# Altium PCB FRONT-UNIT-3.5.PcbDoc (part 1 of 2)
Units mm, origin at the board's own origin, x right, y up, seen from the top; angles counter-clockwise.
Board outline 187 x 77 mm, 2 copper layers (Top Layer, Top, Bottom Layer, Bottom); 110 components, 75 nets, 445 pads, 117 vias.
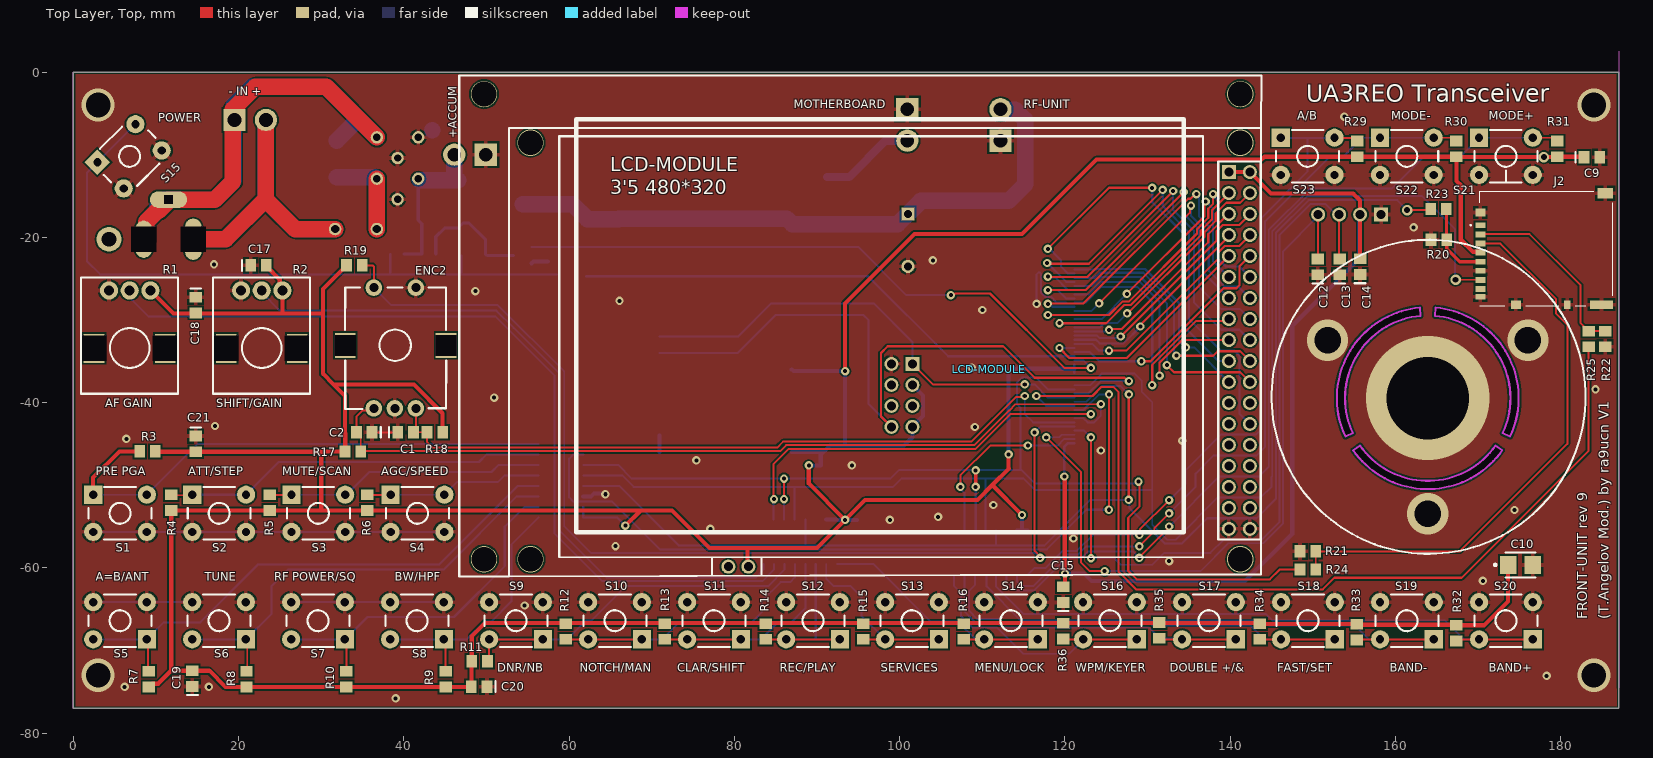
[diagram p0: Top Layer, Top view]
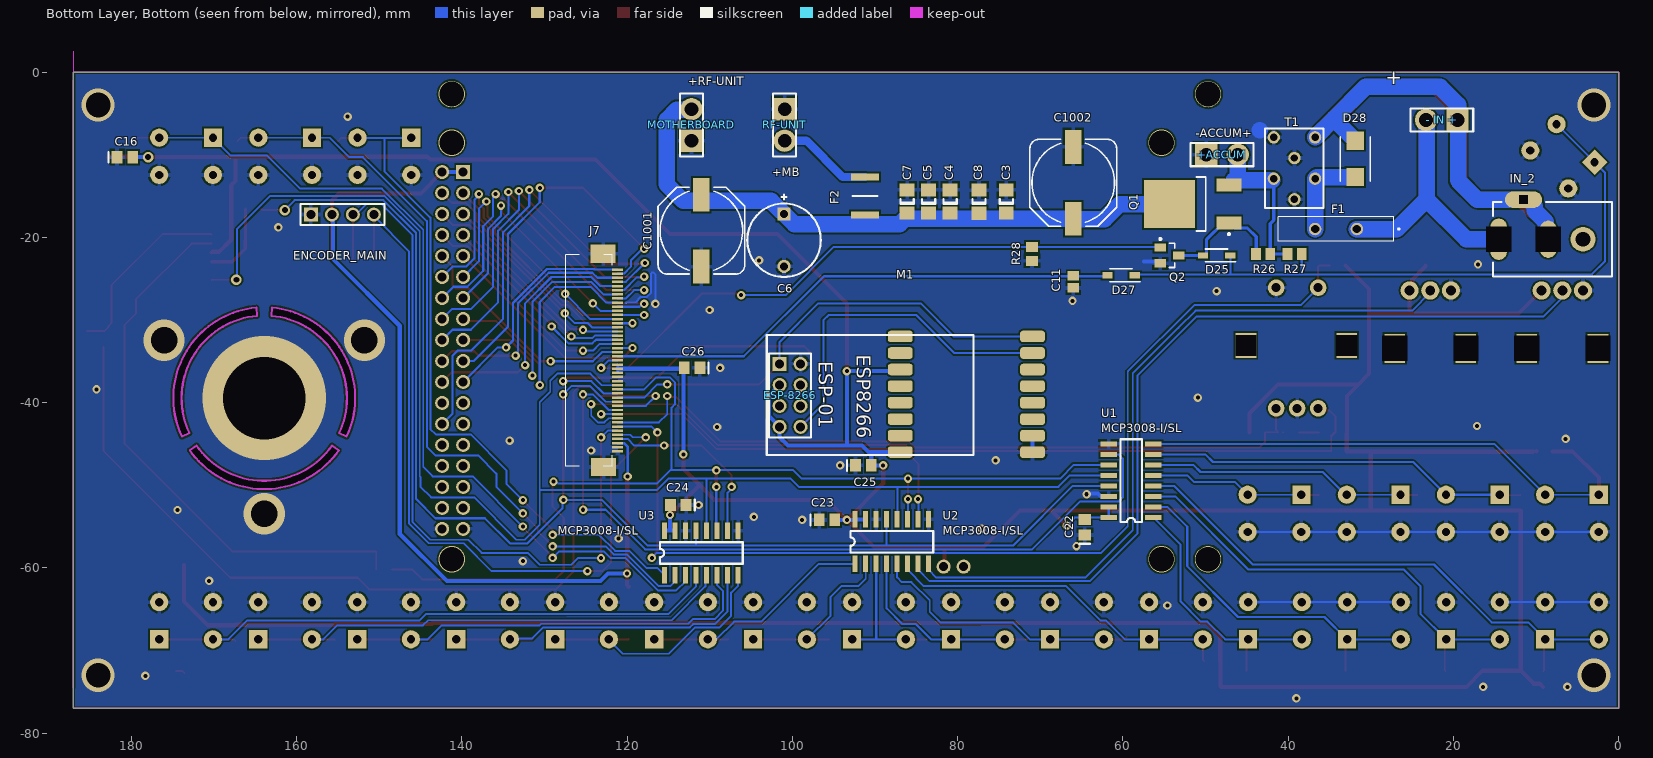
[diagram p1: Bottom Layer, Bottom view, seen from below]

## Layer stack, top to bottom
Top Solder, Top Mask: solder mask 0.0102, Solder Resist, Dk 3.5
Top Layer, Top: signal copper 0.0356
Dielectric 1: dielectric 0.32, FR-4, Dk 4.8
Bottom Layer, Bottom: signal copper 0.0356
Bottom Solder, Bot Mask: solder mask 0.0102, Solder Resist, Dk 3.5

## Board outline
0,-77 0,0 187,0 187,-77.002
cut-out: 154.889,-45.779 ccw(c163.9,-39.47) 172.911,-45.779 172.091,-45.206 cw(c163.9,-39.47) 155.708,-45.206
cut-out: 164.772,-29.508 cw(c163.9,-39.47) 172.963,-43.696 173.869,-44.119 ccw(c163.9,-39.47) 164.859,-28.512
cut-out: 153.931,-44.119 cw(c163.9,-39.47) 162.941,-28.512 163.028,-29.508 ccw(c163.9,-39.47) 154.837,-43.696

## Design rules (kind name [scope] priority, off if disabled: settings)
BoardOutlineClearance [All] p1: gap=0.2 ignorepadtopadclearanceinfootprint=FALSE except(0.4: Arc-SplitBarrior Arc-SplitContinuation Track-SplitBarrior Track-SplitContinuation SMDPad-SplitBarrior SMDPad-SplitContinuation THPad-SplitBarrior THPad-SplitContinuation Via-SplitBarrior Via-SplitContinuation Fill-SplitBarrior Fill-SplitContinuation Poly-SplitBarrior Poly-SplitContinuation Region-SplitBarrior Region-SplitContinuation Text-SplitBarrior Text-SplitContinuation)
Clearance [All] p1: gap=0.2 ignorepadtopadclearanceinfootprint=FALSE
Clearance "Clearance Bottom Layer" [OnLayer('Bottom Layer')] p2: gap=0.203 ignorepadtopadclearanceinfootprint=TRUE except(0.254: Arc-Text Track-Text SMDPad-Text THPad-Text Via-Text Fill-Text Poly-Text Region-Text Text-Text)
Clearance "Clearance Top Layer" [OnLayer('Top Layer')] p3: gap=0.203 ignorepadtopadclearanceinfootprint=TRUE except(0.254: Arc-Text Track-Text SMDPad-Text THPad-Text Via-Text Fill-Text Poly-Text Region-Text Text-Text)
HoleSize [All] p1: absolutevalues=TRUE maxlimit=21 minlimit=0.486 maxpercent=80.000 minpercent=20.000
MinimumAnnularRing [All] p1: minimumring=0.076
MinimumSolderMaskSliver [All] p1: minsoldermaskwidth=0.01
PolygonConnect PolygonConnect_1 [All] p1: thpad.connectstyle=Relief thpad.reliefconductorwidth=0.508 thpad.reliefentries=4 thpad.polygonreliefangle="90 Angle" thpad.airgapwidth=0.254 smdpad.connectstyle=Relief smdpad.reliefconductorwidth=0.508 smdpad.reliefentries=4 smdpad.polygonreliefangle="90 Angle" smdpad.airgapwidth=0.254 via.connectstyle=Direct via.reliefconductorwidth=0.508 via.reliefentries=4 via.polygonreliefangle="90 Angle" via.airgapwidth=0.254
RoomDefinition FRONT-UNIT-3.5 [InComponentClass('FRONT-UNIT-3.5')] p1: confinementstyle=ConfineIn formatcopy=TRUE lockcomponents=FALSE outline -0.4,-77.4 187.4,-77.4 187.4,0.4 -0.4,0.4
RoutingCorners [All] p1: cornerstyle=Round minsetback=2.54 maxsetback=2.54
RoutingVias [All] p1: holewidth=0.5 width=1 viastyle="Through Hole" minholewidth=0.2 minwidth=0.45 maxholewidth=1 maxwidth=2
SilkToSilkClearance [All] p1: silktosilkclearance=0.01
SilkToSolderMaskClearance [IsPad] p1: minsilkscreentomaskgap=0.1 clearancetoexposedcopper=TRUE
SolderMaskExpansion [All] p1: expansion=0.102 istentingtop=FALSE
Width [All] p1: maxlimit=2.54 minlimit=0.089 preferedwidth=0.381
25 further rules are at their usual default settings.

## Components (designator, comment, footprint, x,y, rotation, side; value= is the part's Value field where it differs from the comment)
+ACCUM "JX2" JX2 48,-10 r180 bottom value=13.8V (schematic designator ACCUM)
"- IN +" "JX2" JX2 21.4,-5.8 r0 bottom value=13.8V (schematic designator IN)
C1 "100n" CAP_0805 40.014,-43.59 r0 top
C2 "100n" CAP_0805 35.4,-43.6 r180 top
C3 "1uF" CAP_1206 74.1,-15.66 r90 bottom
C4 "100n" CAP_1206 80.9,-15.66 r90 bottom
C5 "1n" CAP_1206 83.5,-15.66 r90 bottom
C6 "1000uF" CAP250RP 101,-19.8 r270 bottom
C7 "470pF" CAP_1206 86.1,-15.66 r90 bottom
C8 "120pF" CAP_1206 77.4,-15.69 r90 bottom
C9 "100n" CAP_0805 183.574,-10.309 r0 top
C10 "22uF" EEEFC_sizeB 174.716,-59.647 r0 top
C11 "8.2n" CAPC2013X94X50LL20T25 66,-25.4 r90 bottom
C12 "10n" CAP_0805 150.593,-23.767 r90 top
C13 "10n" CAP_0805 153.244,-23.767 r90 top
C14 "100n" CAP_0805 155.712,-23.758 r90 top
C15 "100n" CAP_0805 119.789,-63.447 r90 top
C16 "100n" CAP_0805 180.967,-10.304 r180 bottom
C17 "100n" CAP_0805 22.2,-23.4 r0 top
C18 "100n" CAP_0805 14.8,-28 r270 top
C19 "100n" CAP_0805 14.4,-73.6 r90 top
C20 "100n" CAP_0805 49.299,-74.375 r180 top
C21 "100n" CAP_0805 14.8,-44.8 r270 top
C22 "100n" CAP_0805 64.6,-55.286 r90 bottom
C23 "100n" CAP_0805 96,-54.2 r180 bottom
C24 "100n" CAP_0805 113.6,-52.4 r0 bottom
C25 "100n" CAP_0805 91.6,-47.6 r180 bottom
C26 "100n" CAP_0805 111.933,-35.8 r0 bottom
C1001 "470uF" SMD-G-10X10.2 111,-19.2 r90 bottom value={Value}
C1002 "470uF" SMD-G-10X10.2 66,-13.4 r270 bottom value={Value}
D25 "1n4148w" SOD3716X135N 48.641,-22.196 r0 bottom
D27 "1n4148w" SOD3716X135N 60.2,-24.6 r0 bottom
D28 "SM6T15A" SMBJ36CATR 31.877,-10.512 r90 bottom
ENC2 "PEC12" PEC12 39,-33.4 r180 top
ENCODER_MAIN "OPTICAL ENCODER" 644456-4 154.447,-16.616 r180 bottom
ESP-8266 "ESP-01 ESP8266" "ESP-01 ESP8266" 90.593,-39.08 r270 bottom
F1 "RUEF400" RUEF400 34.2,-19 r0 bottom
F2 "MF-MSMF110_16-2" FUSC4632X85N 91.2,-15 r90 bottom
IN_2 "PJ-050B" PJ-050B 8.159,-19.584 r0 bottom value=13.8V
J2 "DM3AT-SF-PEJM5" DM3ATSFPEJM5 177.68,-21.329 r90 top
J7 "FPC-45P-0.5mm" FH12S45S05SH60 121.793,-34.9 r270 bottom
LCD-MODULE "" LCD-MODULE-3.2-480-320 53.721,-6.77 r0 top
M1 "ESP-07S" ESP-07S 78.933,-39 r180 bottom
MOTHERBOARD "JX2" JX2 112.2,-6.4 r90 bottom value=13.8V (schematic designator RF-UNIT)
Q1 "IRFR9024NPBF" ONSC-DPAK-3-369C-01_V 51.562,-15.973 r0 bottom
Q2 "BSS123" FAIR-SOT23-3_V 54.356,-22.196 r270 bottom
R1 "ptv09a-4225f-b102" PTV09 6.8,-31.9 r180 top value="AF GAIN 1k"
R2 "ptv09a-4225f-b102" PTV09 22.777,-31.9 r180 top value="SHIFT 1k"
R3 "4.7k" RES_0805 8.967,-45.904 r0 top
R4 "4.7k" RES_0805 11.845,-52.12 r270 top
R5 "4.7k" RES_0805 23.767,-52.104 r270 top
R6 "4.7k" RES_0805 35.567,-52.104 r270 top
R7 "4.7k" RES_0805 9.145,-73.47 r270 top
R8 "4.7k" RES_0805 20.945,-73.47 r270 top
R9 "4.7k" RES_0805 45.045,-73.47 r270 top
R10 "4.7k" RES_0805 33.045,-73.47 r270 top
R11 "4.7k" RES_0805 49.167,-71.304 r180 top
R12 "4.7k" RES_0805 59.567,-67.704 r90 top
R13 "4.7k" RES_0805 71.587,-67.704 r90 top
R14 "4.7k" RES_0805 83.767,-67.704 r90 top
R15 "4.7k" RES_0805 95.567,-67.704 r90 top
R16 "4.7k" RES_0805 107.767,-67.704 r90 top
R17 "4.7k" RES_0805 33.831,-45.918 r180 top
R18 "4.7k" RES_0805 43.74,-43.6 r0 top
R19 "4.7k" RES_0805 34,-23.4 r180 top
R20 "3.3k" RES_0805 165.239,-20.311 r0 top
R21 "3.3k" RES_0805 149.4,-58 r0 top
R22 "3.3k" RES_0805 185.367,-32.304 r90 top
R23 "0" RES_0805 165.201,-16.572 r180 top
R24 "0" RES_0805 149.4,-60.2 r180 top
R25 "0" RES_0805 183.367,-32.304 r270 top
R26 "30k" RESC2013X60X40NL20T25 43.01,-22 r180 bottom
R27 "30k" RESC2013X60X40NL20T25 39.2,-22 r0 bottom
R28 "30k" RESC2013X60X40NL20T25 71,-22 r90 bottom
R29 "4.7k" RES_0805 155.367,-9.304 r270 top
R30 "4.7k" RES_0805 167.367,-9.304 r270 top
R31 "4.7k" RES_0805 179.567,-9.304 r270 top
R32 "4.7k" RES_0805 167.367,-67.904 r90 top
R33 "4.7k" RES_0805 155.326,-67.784 r90 top
R34 "4.7k" RES_0805 143.567,-67.704 r90 top
R35 "4.7k" RES_0805 131.399,-67.577 r90 top
R36 "4.7k" RES_0805 119.789,-67.657 r90 top
RF-UNIT "JX2" JX2 100.93,-6.4 r270 bottom value=13.8V (schematic designator MOTHERBOARD)
S1 "PTS645SK50LFS" PTS645SK50LFS 5.645,-53.4 r0 top
S2 "PTS645SK50LFS" PTS645SK50LFS 17.645,-53.4 r0 top
S3 "PTS645SK50LFS" PTS645SK50LFS 29.645,-53.4 r0 top
S4 "PTS645SK50LFS" PTS645SK50LFS 41.645,-53.4 r0 top
S5 "PTS645SK50LFS" PTS645SK50LFS 5.645,-66.4 r180 top
S6 "PTS645SK50LFS" PTS645SK50LFS 17.625,-66.4 r180 top
S7 "PTS645SK50LFS" PTS645SK50LFS 29.605,-66.4 r180 top
S8 "PTS645SK50LFS" PTS645SK50LFS 41.585,-66.4 r180 top
S9 "PTS645SK50LFS" PTS645SK50LFS 53.565,-66.4 r180 top
S10 "PTS645SK50LFS" PTS645SK50LFS 65.545,-66.4 r180 top
S11 "PTS645SK50LFS" PTS645SK50LFS 77.525,-66.4 r180 top
S12 "PTS645SK50LFS" PTS645SK50LFS 89.505,-66.4 r180 top
S13 "PTS645SK50LFS" PTS645SK50LFS 101.485,-66.4 r180 top
S14 "PTS645SK50LFS" PTS645SK50LFS 113.465,-66.4 r180 top
S15 "PTS645SK50LFS" PTS645SK50LFS 6.8,-10.2 r45 top value=PWR
S16 "PTS645SK50LFS" PTS645SK50LFS 125.445,-66.4 r180 top
S17 "PTS645SK50LFS" PTS645SK50LFS 137.425,-66.4 r180 top
S18 "PTS645SK50LFS" PTS645SK50LFS 149.405,-66.4 r180 top
S19 "PTS645SK50LFS" PTS645SK50LFS 161.385,-66.4 r180 top
S20 "PTS645SK50LFS" PTS645SK50LFS 173.365,-66.4 r180 top
S21 "PTS645SK50LFS" PTS645SK50LFS 173.366,-10.2 r0 top
S22 "PTS645SK50LFS" PTS645SK50LFS 161.367,-10.2 r0 top
S23 "PTS645SK50LFS" PTS645SK50LFS 149.367,-10.2 r0 top
T1 "BNX016-01" TRANSF_ICORE 39.243,-11.655 r270 bottom
U1 "MCP3008-I/SL" MCP3008-I/SL 59,-49.444 r0 bottom
U2 "MCP3008-I/SL" MCP3008-I/SL 87.94,-56.831 r90 bottom
U3 "MCP3008-I/SL" MCP3008-I/SL 111,-58.2 r90 bottom

## Footprints (in the part's own frame and the unit in brackets; to place one, negate y for a bottom-side part, rotate by r counter-clockwise, add the part's x,y. Pads: shape width x height; smd on the part's side, far side on the other; paste and mask are expansions set on the pad)
644456-4 [mm]
  rect 1.7x1.7 hole 1.1: 1(-3.81,-0.635)
  round 1.7 hole 1.1: 2(-1.27,-0.635) 3(1.27,-0.635) 4(3.81,-0.635)
  silkscreen extent -5.08,-1.9 5.08,0.64
CAP250RP [mm]
  rect 1.6x1.6 hole 1: 1(-2.631,0)
  round 1.6 hole 1: 2(3.719,0)
  silkscreen extent -4.99,-4.45 4.99,4.45
CAP_0805 [mm]
  rect 1.3x1.5 smd: 1(-0.75,0) 2(1.15,0)
  silkscreen extent -1.8,-0.65 -1.8,0.65
CAP_1206 [mm]
  rect 1.6x1.8 smd: 1(-1.4,0) 2(1.4,0)
  silkscreen extent -0.3,-0.8 0.3,0.8
CAPC2013X94X50LL20T25 [mm] "Chip Capacitor, 2-Leads, Body 2.01x1.25mm, IPC High Density"
  rect 1.15x1.35 smd: 1(-0.725,0) 2(0.725,0)
  body extent -1.1,-0.72 1.1,0.72, height 0.94
DM3ATSFPEJM5 [mm]
  rect 0.7x1.2 smd: 1(2.775,7.412) 2(1.675,7.412) 3(0.575,7.412) 4(-0.525,7.412) 5(-1.625,7.412) 6(-2.725,7.412) 7(-3.825,7.412) 8(-4.925,7.412) MP2(-5.875,7.412)
  rect 1x1.2 smd: MP1(4.325,7.412) MP3(-6.825,3.112)
  rect 1x0.8 smd: MP4(-6.825,-3.087)
  rect 1x2.8 smd: MP5(-6.825,-7.237)
  rect 1.3x1.9 smd: MP6(6.675,-7.688)
  silkscreen extent -6.93,-8.64 6.93,8.64, body extent -7.24,-8.64 7.2,7.94, height 1.93
EEEFC_sizeB [mm]
  rect 2x2.2 smd: 1(-1.1,0) 2(1.9,0)
  silkscreen extent -2.9,-1.5 2.2,1.5
"ESP-01 ESP8266" [mm]
  round 1.7 hole 1.1: 1(-3.76,-8.4) 2(-1.22,-8.4) 3(1.32,-8.4) 4(3.86,-8.4) 6(-1.22,-10.94) 7(1.32,-10.94) 8(3.86,-10.94)
  rect 1.7x1.7 hole 1.1: 5(-3.76,-10.94)
  silkscreen extent -7.25,-12.5 7.25,12.5
ESP-07S [mm]
  rrect50% 3x1.4 smd: 1(-8,7) 2(-8,5) 3(-8,3) 4(-8,1) 5(-8,-1) 6(-8,-3) 7(-8,-5) 8(-8,-7) 9(8,-7) 10(8,-5) 11(8,-3) 12(8,-1) 13(8,1) 14(8,3) 15(8,5) 16(8,7)
  body extent -8,-8.7 8,13.3, height 3.5
FAIR-SOT23-3_V [mm] "SOT23, 3-Leads, Body 2.92x1.3mm, Pitch 0.95mm"
  rect 1x1.4 smd: 1(-0.95,-1.1) 2(0.95,-1.1) 3(0,1.1)
  silkscreen extent -2.12,-1.23 1.46,0.65, body extent -1.46,-0.65 1.46,0.65, height 1.2
FH12S45S05SH60 [mm]
  rect 0.3x1.3 smd: 1(-11,0.65) 2(-10.5,0.65) 3(-10,0.65) 4(-9.5,0.65) 5(-9,0.65) 6(-8.5,0.65) 7(-8,0.65) 8(-7.5,0.65) 9(-7,0.65) 10(-6.5,0.65) 11(-6,0.65) 12(-5.5,0.65) 13(-5,0.65) 14(-4.5,0.65) 15(-4,0.65) 16(-3.5,0.65) 17(-3,0.65) 18(-2.5,0.65) 19(-2,0.65) 20(-1.5,0.65) 21(-1,0.65) 22(-0.5,0.65) 23(0,0.65) 24(0.5,0.65) 25(1,0.65) 26(1.5,0.65) 27(2,0.65) 28(2.5,0.65) 29(3,0.65) 30(3.5,0.65) 31(4,0.65) 32(4.5,0.65) 33(5,0.65) 34(5.5,0.65) 35(6,0.65) 36(6.5,0.65) 37(7,0.65) 38(7.5,0.65) 39(8,0.65) 40(8.5,0.65) 41(9,0.65) 42(9.5,0.65) 43(10,0.65) 44(10.5,0.65) 45(11,0.65)
  rect 2.2x3 smd: 46(-12.9,-1.1) 47(12.9,-1.04)
  silkscreen extent -12.8,-5.6 12.8,0, body extent -13.62,-5.6 13.62,1.27, height 2.1
FUSC4632X85N [mm]
  rect 0.85x3.43 smd: 1(-2.3,0) 2(2.3,0)
  silkscreen extent 0,-1.52 0,1.52, body extent -2.27,-1.62 2.27,1.62, height 0.85
JX2 [mm]
  rect 2.7x2.7 hole 1.65: 1(-1.905,0)
  round 2.7 hole 1.65: 2(1.905,0)
  silkscreen extent -3.81,-1.4 3.81,1.4
LCD-MODULE-3.2-480-320 [mm]
  rect 1.7x1.7 hole 1.1: 1(86.106,-5.334)
  round 1.7 hole 1.1: 2(88.646,-5.334) 3(86.106,-7.874) 4(88.646,-7.874) 5(86.106,-10.414) 6(88.646,-10.414) 7(86.106,-12.954) 8(88.646,-12.954) 9(86.106,-15.494) 10(88.646,-15.494) 11(86.106,-18.034) 12(88.646,-18.034) 13(86.106,-20.574) 14(88.646,-20.574) 15(86.106,-23.114) 16(88.646,-23.114) 17(86.106,-25.654) 18(88.646,-25.654) 19(86.106,-28.194) 20(88.646,-28.194) 21(86.106,-30.734) 22(88.646,-30.734) 23(86.106,-33.274) 24(88.646,-33.274) 25(86.106,-35.814) 26(88.646,-35.814) 27(86.106,-38.354) 28(88.646,-38.354) 29(86.106,-40.894) 30(88.646,-40.894) 31(86.106,-43.434) 32(88.646,-43.434) 33(86.106,-45.974) 34(88.646,-45.974) 35(86.106,-48.514) 36(88.646,-48.514) 37(25.54,-53.086) 38(27.956,-53.086)
  silkscreen extent -1,-54.3 90,0
MCP3008-I/SL [mm]
  rect 2x0.6 smd: 1(-2.7,4.445) 2(-2.7,3.175) 3(-2.7,1.905) 4(-2.7,0.635) 5(-2.7,-0.635) 6(-2.7,-1.905) 7(-2.7,-3.175) 8(-2.7,-4.445) 9(2.7,-4.445) 10(2.7,-3.175) 11(2.7,-1.905) 12(2.7,-0.635) 13(2.7,0.635) 14(2.7,1.905) 15(2.7,3.175) 16(2.7,4.445)
  silkscreen extent -1.3,-5 1.3,5
ONSC-DPAK-3-369C-01_V [mm] "DPAK, 3-Leads, Body 6.54x6.095mm, Pitch 2.29mm"
  rect 3x1.6 smd: 1(-4.4,2.29) 3(-4.4,-2.29)
  rect 6.2x5.8 smd: 4(2.8,0)
  silkscreen extent -4.52,-3.27 -0.45,3.76, body extent -1.6,-3.27 4.49,3.27, height 2.38
PEC12 [mm]
  round 2 hole 1.1: 1(-2.44,-7.303) 2(2.64,-7.303) 3(2.64,7.302) 4(0.1,7.302) 5(-2.44,7.302)
  rect 2.5x3 hole 2.5 square: 6(-6.1,-0.318) 7(6.1,-0.317)
  silkscreen extent -6.12,-7.32 6.12,7.38
PJ-050B [mm]
  oval 2x5 hole 3 square: 1(6.35,0.65)
  oval 2x4.5 hole 3 square: 2(0.35,0.65)
  oval 4.5x2 hole 1 square: 3(3.35,-4.15)
  round 3 hole 1.8: 4(-3.85,0.65)
  silkscreen extent -7.35,-3.85 7.05,5.15
PTS645SK50LFS [mm]
  rect 2.2x2.2 hole 1: 1(-3.25,2.25)
  round 2.2 hole 1: 2(3.25,2.25) 3(3.25,-2.25) 4(-3.25,-2.25)
  silkscreen extent -3.81,-3.17 3.81,3.18
PTV09 [mm]
  round 2.2 hole 1.2: 1(-2.515,-5.465) 2(-0.015,-5.465) 3(2.485,-5.465)
  rect 2.5x3.5 hole 3 square: 4(-4.327,1.535) 5(4.297,1.535)
  silkscreen extent -5.87,-7.03 5.87,7.03
RES_0805 [mm]
  rect 1.3x1.5 smd: 1(-0.95,0) 2(0.95,0)
RESC2013X60X40NL20T25 [mm] "Chip Resistor, 2-Leads, Body 2.00x1.25mm, IPC Medium Density"
  rect 1.2x1.45 smd: 1(-0.85,0) 2(0.85,0)
  body extent -1.1,-0.72 1.1,0.72, height 0.6
RUEF400 [mm]
  round 1.515 hole 1.01: 1(-2.525,0) 2(2.525,0)
  silkscreen extent -7.7,-1.5 7,1.5, body extent -7,-1.5 7,1.5, height 19.1
SMBJ36CATR [mm]
  rect 2.2x2.15 smd: 1(-2.2,0) 2(2.2,0)
  silkscreen extent -2.68,-1.81 2.68,1.81, body extent -3.09,-1.81 3.09,1.81, height 2.75
SMD-G-10X10.2 [mm] "10X7.7, 8.7, 10, 10.5, 12.5"
  rect 4.1x2 smd paste-0.05 mask+0.05: 1(4.35,0) 2(-4.35,0)
  silkscreen extent -5.25,-5.25 5.25,5.25, body extent -5.85,-5.15 5.85,5.15
SOD3716X135N [mm]
  rect 1.25x0.75 smd: 1(-1.65,0) 2(1.65,0)
  silkscreen extent -2.27,-0.77 1.35,0.77, body extent -1.85,-0.78 1.85,0.77, height 1.35
TRANSF_ICORE [mm]
  round 1.5 hole 0.9: LCG1(-1.25,0.01) LCG2(3.75,0.01) LCG3(-3.75,-2.49) LCP(1.25,-2.49) P(1.25,2.51) PSG(-3.75,2.51)
  silkscreen extent -4.81,-3.54 4.81,3.54

## Part data
C1 C2 C9 C12 C13 C14 C15 C16 C17 C18 C19 C20 C21 C22 C23 C24 C25 C26: library part CAP_0805, "CAP_0805"
C3 C4 C5 C7 C8: library part CAP_1206, "CAP_1206"
C6: library part CAP250RP, "CAP250RP"
C10: library part EEEFC_sizeB, "EEEFC_sizeB"
C11: library part CMP-2007-04444-1, "CAP_1206", Manufacturer="AVX Interconnect / Elco", Part Number=08055C822KAT2A
C1001 C1002: library part _SMD-G-10, "10x7.7, 8.7, 10, 10.5, 12.5", Lifetime @ Temp=2000Hrs@105℃, Assembly type="Manual Part", Note="Aluminum Electrolytic Capacitors", Publisher="Catcatcat Electronics", website developer=http://catcatcat.d-lan.dp.ua/
D25 D27: "Diode", Manufacturer_Name=Vishay, Datasheet Link=http://www.vishay.com/docs/85748/1n4148w.pdf, Height=1.35mm, Manufacturer_Part_Number=1n4148w
D28: "Diode", Manufacturer_Name=STMicroelectronics, Mouser Part Number=511-SM6T15A, RS Part Number=4864915P, Allied_Number=70390432, Allied Price/Stock=http://www.alliedelec.com/stmicroelectronics-sm6t15a/70390432/, Datasheet Link=http://www.st.com/web/en/resource/technical/document/datasheet/CD00000725.pdf, Height=2.65mm, Manufacturer_Part_Number=SM6T15A, Mouser Price/Stock=https://www.mouser.com/Search/Refine.aspx?Keyword=511-SM6T15A, RS Price/Stock=http://uk.rs-online.com/web/p/products/4864915P
ENCODER_MAIN: library part 644456-4
F1: "Fuse", Manufacturer_Name=LITTELFUSE, Mouser Part Number=650-RUEF400, RS Part Number=5176837P, Datasheet Link=https://componentsearchengine.com/Datasheets/1/RUEF400.pdf, Height=19mm, Manufacturer_Part_Number=RUEF400, Mouser Price/Stock=https://www.mouser.co.uk/ProductDetail/Littelfuse/RUEF400?qs=hv6pn79dJPQHuFVnpNF%2FDg%3D%3D, RS Price/Stock=http://uk.rs-online.com/web/p/products/5176837P
F2: "Fuse", Manufacturer_Name=Bourns, Manufacturer_Part_Number=MF-MSMF110/16-2, Mouser Part Number=652-MF-MSMF110/16-2, RS Part Number=6478207P, Allied_Number=70153434, Allied Price/Stock=https://www.alliedelec.com/bourns-mf-msmf110-16-2/70153434/, Datasheet Link=https://componentsearchengine.com/Datasheets/2/MF-MSMF110_16-2.pdf, Height=0.85mm, Mouser Price/Stock=https://www.mouser.co.uk/ProductDetail/Bourns/MF-MSMF110-16-2?qs=wksszfECgvir54ST3ixUHA%3D%3D, RS Price/Stock=http://uk.rs-online.com/web/p/products/6478207P
J2: "Connector", Manufacturer_Name=HRS(Hirose), Datasheet Link=https://datasheet.lcsc.com/szlcsc/Hirose-HRS-DM3AT-SF-PEJM5_C114218.pdf, Height=1.83mm, Manufacturer_Part_Number=DM3AT-SF-PEJM5
J7: library part FH12S-45S-0.5SH_55_, "Connector", Manufacturer_Name=Hirose, Manufacturer_Part_Number=FH12S-45S-0.5SH(55), Mouser Part Number=798-FH12S-45S-05SH55, RS Part Number=1620942, Datasheet Link=https://www.hirose.com/product/en/download_file/key_name/FH12S-45S-0.5SH%2855%29/category/Drawing%20(2D)/doc_file_id/43881/?file_category_id=6&item_id=05860665055&is_series=, Height=2mm, Mouser Price/Stock=https://www.mouser.co.uk/ProductDetail/Hirose-Connector/FH12S-45S-05SH55?qs=0N%252BVULUZFj%252BE0LA99Ny0NA%3D%3D, RS Price/Stock=http://uk.rs-online.com/web/p/products/1620942
LCD-MODULE: library part LCD-MODULE_3'2_480х320, "LCD-MODULE_3'2_480х320"
Q1: library part CMP-1058-00387-1, "IRFR9024NPBF, Транзистор, Р-канал 55В 11А", Manufacturer="On Semiconductor", Package Type="DPAK-3, IPAK-4", PartNumber=NTD2955G, Channel Polarity="P Channel", Ciss Typ (pF)=500, ComponentLink1Description="Manufacturer URL", ComponentLink1URL=http://www.onsemi.com/, ComponentLink2Description=Datasheet, ComponentLink2URL=http://www.onsemi.cn/pub_link/Collateral/NTD2955-D.PDF, ComponentLink3Description="Package Specification", ComponentLink3URL=http://www.onsemi.cn/pub_link/Collateral/369C.PDF, Configuration=Single, Coss Typ (pF)=150, Crss Typ (pF)=50, DatasheetVersion="Rev. 13", ID Max (A)=12, Mounting Technology="Surface Mount", PackageDescription="3-Pin Flange Mount, Body 6.54 x 6.095 mm, Pitch 2.29 mm", PackageReference=DPAK-3-369C-01, PackageVersion="Rev. E, 02/2014", Packing="Tape and Reel", PD Max (W)=55, Qrr Typ (nC)=100, RoHS=Pb-Free, V(BR)DSS Min (V)=60, VGS(th) Max (V)=4, VGS Max (V)=20
Q2: library part CMP-2000-04934-1, "N-Channel Logic Level Enhancement Mode Field Effect Transistor, 1.7 V, -55 to 150 degC, 3-Pin SOT-23, RoHS, Tape and Reel", Manufacturer=Fairchild, Maximum Continuous Drain Current=0.17A, Maximum Drain Source Voltage=100V, Maximum Gate Source Voltage=±20V, Operating Temperature=-55to150degC, Package=3SOT-23, Package Description="3-Pin Small Outline Transistor, Body 2.92 x 1.325 mm, Pitch 0.95 mm", Package Reference=SOT23-3, Package Version="Rev. 12, 03/2016", Category=MOSFET, Channel Mode=Enhancement, Channel Type=N, Datasheet URL=https://www.fairchildsemi.com/datasheets/BS/BSS123.pdf, Datasheet Version=Jun-03, Manufacturer URL=https://www.fairchildsemi.com/, Mounting=SurfaceMount, Package URL=http://www.fairchildsemi.com/dwg/MA/MA03D.pdf, Packaging=Tape&Reel, Rad Hard=No, RDS-on=6000@10VmOhm, Typical Fall Time=2.4ns, Typical Rise Time=9ns, Typical Turn-Off Delay Time=17ns, Typical Turn-On Delay Time=1.7ns
R1 R2: library part PTV09, "Adjustable Resistor PTV09"
R3 R4 R5 R6 R7 R8 R9 R10 R11 R12 R13 R14 R15 R16 R17 R18 R19 R20 R21 R22 R23 R24 R25 R29 R30 R31 R32 R33 R34 R35 R36: library part RES_0805, "RES_0805"
R26 R27 R28: library part CMP-2001-00626-1, "RES_0805", Manufacturer=Panasonic, Part Number=ERA-6AEB303V
S1: LCSC Part #=test
T1: library part TRANSF_ICORE
ENC2: FULLNAME="Выключатель замыкающий с приводом нажатием кнопки"

## Free pads (board coordinates)
  round 3.2 hole 3: 0(49.691,-58.967) 0(49.691,-2.667) 0(141.221,-2.667)

## Via types
v1: diameter 1.016, hole 0.486, Top Layer, Top to Bottom Layer, Bottom, tented both sides, 102 vias
v2: diameter 3.2, hole 3, Top Layer, Top to Bottom Layer, Bottom, 4 vias
v3: diameter 4, hole 3, Top Layer, Top to Bottom Layer, Bottom, 4 vias
v4: diameter 5, hole 3.2, Top Layer, Top to Bottom Layer, Bottom, 3 vias
v5: diameter 1.27, hole 0.711, Top Layer, Top to Bottom Layer, Bottom, 3 vias
v6: diameter 15, hole 10, Top Layer, Top to Bottom Layer, Bottom, 1 vias

## Nets (pads, with @x,y where several pads share a name; then routed paths per layer and width w, separated by ;. In a path a pad name is that pad's centre, name@x,y a point inside that pad or via, vN(x,y) a via of type N, cw(c..) or ccw(c..) an arc to the next point about the centre after c; other vN are vias at no path point)
+3V3: C9.1 C10.1 C16.2 C17.2 C18.2 C19.2 C20.2 C21.2 C22.2 C23.2 C24.2 C25.2 C26.2 ESP-8266.6 ESP-8266.8 J2.4 J7.24 J7.25 J7.26 LCD-MODULE.38 M1.3 M1.8 R1.1 R2.1 R3.2 R4.2 R5.2 R6.2 R7.2 R8.2 R9.2 R10.2 R11.2 R12.2 R13.2 R14.2 R15.2 R16.2 R17.2 R18.2 R19.2 R29.2 R30.2 R31.2 R32.2 R33.2 R34.2 R35.2 R36.2 U1.15 U1.16 U2.15 U2.16 U3.15 U3.16 | length 620.4
  Top Layer, Top w0.5: R7.2@9.145,-74.42 9.545,-74.02 10.274,-74.02 11.845,-72.449 ; R1.1@9.315,-26.435 12.103,-29.223 25.4,-29.223 ; R3.2@9.917,-45.904 R3.2@9.967,-45.854 ; R3.2@10.35,-45.95 30,-45.95 ; C17.2@23.35,-23.4 23.35,-23.5 24.967,-25.116 24.967,-26.109 R2.1@25.292,-26.435 25.292,-29.115 25.4,-29.223 ; R17.2@32.881,-45.918 30,-45.918 30,-52.87 30.2,-53.07 ; R17.2@32.905,-45.918 32.905,-43.73 32.893,-43.73 32.893,-39.2 31.493,-37.8 ; R19.2@33.05,-23.4 30.2,-26.25 30.2,-29.223 ; R18.2@44.69,-43.6 44.69,-41.29 41.2,-37.8 31.493,-37.8 ; v1(66.8,-54.9) 68.6,-53.1 68.6,-53.07 ; LCD-MODULE.38@81.677,-59.856 81.6,-59.779 81.6,-57.61 ; v1(89,-47.6) 89,-49.8 v1(93.4,-54.2) ; v1(93.4,-36.2) 93.4,-28 101.8,-19.6 114.8,-19.6 123.8,-10.6 143.8,-10.6 144.146,-10.254 R29.2@155.367,-10.254 167.167,-10.254 R30.2@167.192,-10.279 ; R16.2@108.2,-66.55 R16.2@108.08,-66.67 ; v1(113.173,-46.268) 113.173,-47.973 113.2,-48 111.2,-50 ; v1(114.8,-53.6) 111.2,-50 ; R34.2@143.567,-66.754 143.607,-66.794 155.286,-66.794 R33.2@155.326,-66.834 155.386,-66.894 167.307,-66.894 R32.2@167.367,-66.954 170.717,-66.954 173.616,-64.055 C10.1@173.616,-59.647 ; R34.2@143.567,-66.67 R16.2@108.08,-66.67 ; J2.4@170.268,-21.854 170.17,-21.756 169.356,-21.756 167.893,-20.293 167.893,-13.693 167.4,-13.2 167.4,-10.487 R30.2@167.192,-10.279 ; C9.1@182.825,-10.309 182.77,-10.254 R31.2@179.567,-10.254 179.542,-10.279 177.992,-10.279 v5(177.967,-10.304) 177.942,-10.279 R30.2@167.192,-10.279 ; 11.845,-72.449 C19.2@14.4,-72.449 16.45,-72.449 18.42,-74.42 R8.2@20.945,-74.42 R10.2@33.045,-74.42 R9.2@45.045,-74.42 48.104,-74.42 C20.2@48.148,-74.375 48.183,-74.341 48.183,-71.338 R11.2@48.217,-71.304 48.217,-68.254 49.801,-66.67 R16.2@108.08,-66.67 ; 11.845,-72.449 R4.2@11.845,-53.07 23.767,-53.07 30,-53.07 30.2,-53.07 ; 25.4,-29.223 30.2,-29.223 ; 30.2,-53.07 35.567,-53.07 68.6,-53.07 ; 30.2,-29.223 30.2,-36.507 31.493,-37.8 ; 68.6,-53.07 72.46,-53.07 77,-57.61 81.6,-57.61 ; 81.6,-57.61 89.99,-57.61 v1(93.4,-54.2) ; v1(93.4,-54.2) 95.8,-51.8 109.4,-51.8 111.2,-50
  Bottom Layer, Bottom w0.254: U1.15@61.7,-52.619 U1.16@61.7,-53.889 65.789,-53.889 v1(66.8,-54.9)
  Bottom Layer, Bottom w0.3: J7.26@121.143,-36.4 J7.25@121.143,-35.9 J7.24@121.143,-35.4
  Bottom Layer, Bottom w0.5: M1.8@86.933,-46 86.964,-45.968 90.774,-45.968 ; M1.3@86.933,-36 87.133,-36.2 v1(93.4,-36.2) 93.4,-45.2 ; v1(89,-47.6) C25.2@90.45,-47.6 90.45,-46.293 90.774,-45.968 ; U2.15@91.115,-54.131 U2.16@92.385,-54.131 92.385,-54.15 92.435,-54.2 v1(93.4,-54.2) C23.2@94.85,-54.2 ; ESP-8266.6@101.533,-37.86 102.833,-39.16 102.833,-41.64 ESP-8266.8@101.533,-42.94 101.533,-44.2 100.533,-45.2 93.4,-45.2 ; v1(113.173,-46.268) 113.173,-36.109 113.383,-35.9 J7.25@121.143,-35.9 ; U3.15@114.175,-55.5 114.81,-55.5 ; v1(114.8,-53.6) 114.8,-55.49 114.81,-55.5 ; U3.16@115.445,-55.5 114.81,-55.5 ; v5(177.967,-10.304) C16.2@179.817,-10.304 ; 90.774,-45.968 91.543,-45.2 93.4,-45.2
+5: C14.2 C15.2 ENCODER_MAIN.2 J7.43 LCD-MODULE.1 LCD-MODULE.2 | length 117.5
  Top Layer, Top w0.5: C15.2@119.789,-62.296 120,-62.086 v1(120,-60.686) 119.966,-60.652 119.966,-48.981 v1(119.933,-48.947) ; LCD-MODULE.1@139.827,-12.104 142.299,-12.104 LCD-MODULE.2@142.24,-12.046 ; LCD-MODULE.2@142.367,-12.167 LCD-MODULE.2@142.367,-12.104 144.942,-14.679 154.879,-14.679 155.717,-15.517 ENCODER_MAIN.2@155.717,-17.251 155.717,-22.603 C14.2@155.712,-22.607
  Bottom Layer, Bottom w0.3: v1(119.933,-48.947) 119.933,-45.315 120.348,-44.9 J7.43@121.143,-44.9
  Bottom Layer, Bottom w0.5: v1(120,-60.686) 122.286,-60.686 123.2,-61.6 141.8,-61.6 147.5,-55.9 147.5,-30.7 155.566,-22.634 155.566,-17.61 ENCODER_MAIN.2@155.637,-17.539 ; LCD-MODULE.1@139.827,-12.104 LCD-MODULE.2@142.367,-12.104
+12: C3.1 C4.1 C5.1 C6.1 C7.1 C8.1 C1001.1 C1002.1 F2.1 MOTHERBOARD.2 Q1.4 | length 75.2
  Bottom Layer, Bottom w2: Q1.4@54.362,-15.973 60.373,-15.973 62.2,-17.8 66,-17.8 C1002.1@66,-17.75 74.1,-17.75 77.4,-17.75 80.9,-17.75 83.5,-17.75 86.35,-17.75 87,-18.4 99.769,-18.4 102.569,-15.6 111,-15.6 113.2,-15.6 115.2,-13.6 115.2,-5.8 113.952,-4.552 112.257,-4.552 MOTHERBOARD.2@112.2,-4.495
AD1_CS: J7.35 U1.10 | length 95.4
  Top Layer, Top w0.254: v1(125.3,-52.97) 125.316,-52.954 125.316,-39.016 v1(125.333,-39)
  Bottom Layer, Bottom w0.254: U1.10@61.7,-46.269 60.531,-46.269 60,-46.8 60,-51.463 60.526,-51.989 65.205,-51.989 70.976,-57.759 117.804,-57.759 122.593,-52.97 v1(125.3,-52.97) ; J7.35@121.143,-40.9 122.233,-40.9 124.133,-39 v1(125.333,-39)
AD2_CS: J7.36 U2.10 | length 49.6
  Top Layer, Top w0.23: v1(84.784,-51.686) 84.709,-51.611 84.709,-47.491 86.6,-45.6 109.2,-45.6 113.4,-41.4 v1(123.133,-41.4)
  Bottom Layer, Bottom w0.23: U2.10@84.709,-54.131 84.746,-54.093 84.746,-51.723 v1(84.784,-51.686) ; J7.36@121.143,-41.4 v1(123.133,-41.4)
AD3_CS: J7.42 U3.10 | length 22.5
  Top Layer, Top w0.23: v1(107.333,-50.2) 107.333,-48.824 110.957,-45.2 v1(115.51,-45.2)
  Bottom Layer, Bottom w0.23: v1(107.333,-50.2) 107.333,-50.412 107.825,-50.905 U3.10@107.825,-55.5 ; v1(115.51,-45.2) 119.133,-45.2 119.933,-44.4 J7.42@121.143,-44.4
CLK: J7.33 R23.2 U1.13 U2.13 U3.13 | length 172.8
  Top Layer, Top w0.254: v1(127.7,-51.77) 127.716,-51.754 127.716,-39.016 v1(127.733,-39) ; v5(161.409,-16.704) 164.119,-16.704 R23.2@164.251,-16.572
  Bottom Layer, Bottom w0.23: 73.298,-57.305 73.307,-57.315 88.519,-57.315 ; 88.519,-57.305 88.519,-57.315 ; U3.13@111.635,-55.5 111.635,-57.28 111.6,-57.315 ; J7.33@121.143,-39.9 122.555,-39.9 124.455,-38 126.733,-38 v1(127.733,-39) ; v1(127.7,-51.77) 123.03,-51.77 117.485,-57.315 111.6,-57.315 ; 88.519,-57.315 111.6,-57.315
  Bottom Layer, Bottom w0.254: U1.13@61.7,-50.079 66.071,-50.079 73.298,-57.305 ; 88.519,-57.305 88.575,-57.249 U2.13@88.575,-54.131 ; v1(127.7,-51.77) 127.81,-51.88 127.81,-52.81 132.04,-57.04 134.16,-57.04 137.2,-54 143.2,-54 145.528,-51.672 145.528,-19.472 149.496,-15.504 160.209,-15.504 v5(161.409,-16.704)
CPU_PW_HOLD: J7.23 Q2.1 R28.2 | length 76.3
  Top Layer, Top w0.254: v1(106.2,-27) 106.346,-26.854 106.676,-26.854 106.73,-26.8 110.933,-26.8 119.933,-35.8 v1(123.133,-35.8)
  Bottom Layer, Bottom w0.254: Q2.1@55.456,-21.162 71,-21.162 94.962,-21.162 100.8,-27 v1(106.2,-27) ; J7.23@121.143,-34.9 122.233,-34.9 v1(123.133,-35.8)
CPU_PW_ON: C11.2 D27.2 J7.22 | length 63.1
  Bottom Layer, Bottom w0.254: D27.2@62.044,-24.707 65,-24.707 96.167,-24.707 105.86,-34.4 J7.22@121.143,-34.4
E1A: C13.2 ENCODER_MAIN.3 J7.40 | length 91.7
  Top Layer, Top w0.23: v1(123.133,-44.2) 123.141,-44.208 123.141,-58.814 v1(123.15,-58.823) ; ENCODER_MAIN.3@153.177,-17.251 153.177,-22.549 C13.2@153.244,-22.616
  Bottom Layer, Bottom w0.23: J7.40@121.143,-43.4 122.333,-43.4 v1(123.133,-44.2) ; v1(123.15,-58.823) 125.952,-58.823 126.752,-59.623 130.577,-59.623 132,-58.2 137.6,-58.2 139.2,-56.6 143.792,-56.6 145.97,-54.422 145.97,-19.704 149.728,-15.946 151.504,-15.946 ENCODER_MAIN.3@153.097,-17.539
E1B: C12.2 ENCODER_MAIN.4 J7.41 | length 92
  Top Layer, Top w0.23: v1(117.733,-44.2) 121.956,-48.423 121.956,-59.356 123,-60.4 v1(124.8,-60.4) v1@124.9,-60.5 ; C12.2@150.593,-22.616 150.637,-22.572 ENCODER_MAIN.4@150.637,-17.251
  Bottom Layer, Bottom w0.23: v1(117.733,-44.2) 119.333,-44.2 119.633,-43.9 J7.41@121.143,-43.9 ; v1(124.8,-60.4) 136.4,-60.4 139.77,-57.03 143.97,-57.03 146.4,-54.6 146.4,-21.696 ENCODER_MAIN.4@150.557,-17.539
E2A: C2.2 ENC2.3 J7.37 R17.1 | length 104.5
  Top Layer, Top w0.23: R17.1@34.781,-45.918 R17.1@34.781,-45.87 ; ENC2.3@36.36,-40.702 36.107,-40.955 35.015,-40.955 34.25,-41.72 C2.2@34.25,-43.6 34.781,-44.131 R17.1@34.781,-45.87 ; v1(124.333,-40.2) 114,-40.2 113.23,-40.97 113.222,-40.97 109.039,-45.153 86.246,-45.153 85.53,-45.87 R17.1@34.781,-45.87
  Top Layer, Top w0.254: C2.2@34.381,-43.618 C2.2@34.781,-44.018
  Bottom Layer, Bottom w0.23: J7.37@121.143,-41.9 122.233,-41.9 122.733,-42.4 123.533,-42.4 124.333,-41.6 v1(124.333,-40.2)
E2B: C1.2 ENC2.5 J7.38 R18.1 | length 89.7
  Top Layer, Top w0.23: C1.2@40.581,-43.618 C1.2@40.6,-43.599 ; ENC2.5@41.44,-40.702 41.44,-43.314 C1.2@41.164,-43.59 42.78,-43.59 R18.1@42.79,-43.6 42.79,-44.76 43.47,-45.44 85.16,-45.44 85.876,-44.723 108.677,-44.723 114.088,-39.312 115.02,-39.312 v1(115.133,-39.2)
  Bottom Layer, Bottom w0.23: v1(115.133,-39.2) 115.133,-41.4 116.133,-42.4 J7.38@121.143,-42.4
E2S: ENC2.2 J7.39 R19.1 | length 129.8
  Top Layer, Top w0.23: R19.1@34.95,-23.4 36.225,-23.4 36.36,-23.534 ENC2.2@36.36,-26.097 ; v1(116.333,-43.6) 116.333,-57.96 117,-58.627 v1(117,-58.8)
  Bottom Layer, Bottom w0.23: ENC2.2@36.36,-26.097 38.463,-28.2 51.35,-28.2 59.38,-36.23 59.38,-36.25 59.4,-36.27 59.4,-54.967 62.634,-58.201 116.401,-58.201 v1(117,-58.8) ; v1(116.333,-43.6) 117.033,-42.9 J7.39@121.143,-42.9